# KiCad board jetson-agx-thor-baseboard.kicad_pcb (continued)
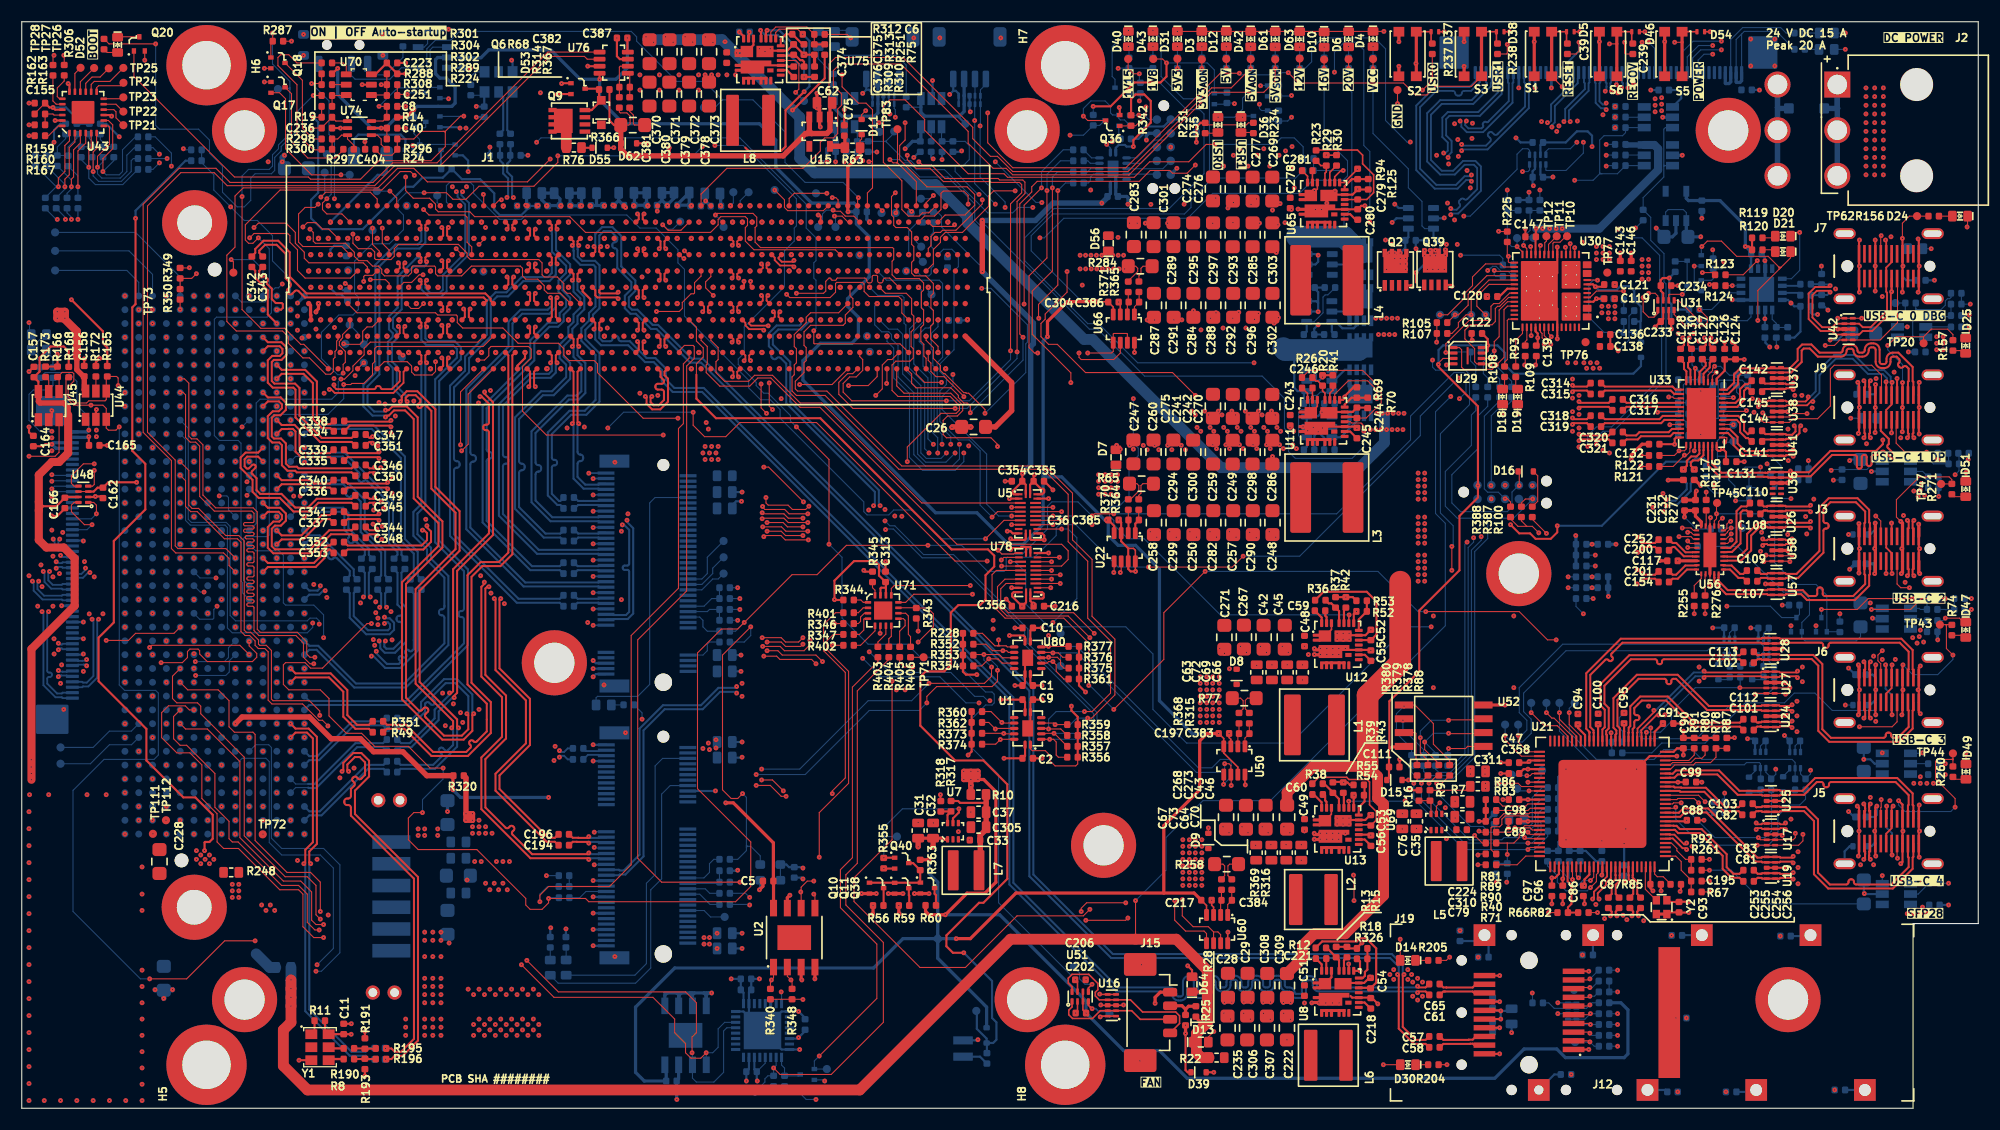
[diagram p0: board, top side]
## Routing (per net, layer and track width the routed paths; a pad name or vN(x,y) marks a point on that pad's centre or on a via; arc(x,y) is an arc through that point) (continued)
VCC: length 190.4
  Top w0.1: TP4.1 v1(124.32,95.71)
  Top w0.15: U11.22 119.19,64.61 U11.26 ; U12.26 120.49,44.06 U12.22 ; 120.48,27.65 120.48,27.06 119.88,26.46
  Top w0.2: v1(70.91,91.87) 70.95,91.87 73.87,94.79 R75.2 ; U8.22 120.49,12.06 U8.26 ; v1(128.27,76.91) 128.27,76.01 ; U75.26 67.31,97.86 U75.22
  Top w1: C309.2 117.85,13.85 117.85,15 118.91,16.06 121.76,16.06 125.29,19.59 125.29,27.99 124.74,28.54 124.74,30.54 123.82,31.46 118.82,31.46 116.41,29.06 C46.2
  Top w2: 126.82,48.46 126.82,40.99 123.82,37.99 123.82,31.46
  Bottom w0.1: v1(124.32,95.71) 124.32,89.71 127.57,86.46 127.57,84.71 128.82,83.46 128.82,81.21 129.07,80.96 U6.6
  Bottom w0.2: U6.6 129.88,80.15 C34.2 130.5,79.53 130.5,78.28 129.85,77.64 129,77.64 v1(128.27,76.91) ; C262.2 120.53,71.46 U62.6 120.9,72.38 121.5,71.78 122.54,71.78 122.82,72.06 Q23.3 ; 122.82,63.74 122.82,63.23 121.34,61.76 U61.6 120.78,61.51 C261.2
  Bottom w1: 125.37,63.71 125.37,61.26 123.07,58.96 110.32,58.96 98.52,70.76 97.74,70.76 87.02,81.48 87.02,82.06 84.07,85.01 82.32,85.01 81.24,86.09 72.94,86.09 71.57,87.46 71.57,91.21 v1(70.91,91.87) 64.43,98.35 57.58,98.35
  vias: v1(41.07,10.96) v1(41.57,10.46) v1(41.57,7.71) v1(41.57,6.71) v1(42.07,10.96) v1(42.07,8.21) v1(42.07,7.21) v1(42.57,10.46) v1(42.57,7.71) v1(42.57,6.71) v1(43.07,10.96) v1(43.07,8.21) v1(43.07,7.21) v1(43.57,10.46) v1(43.57,7.71) v1(43.57,6.71) v1(44.07,10.96) v1(44.07,8.21) v1(44.07,7.21) v1(44.57,10.46) v1(44.57,7.71) v1(44.57,6.71) v1(45.07,10.96) v1(45.07,8.21) v1(45.07,7.21) v1(45.57,10.46) v1(45.57,7.71) v1(45.57,6.71) v1(46.07,10.96) v1(46.07,8.21) v1(46.07,7.21) v1(46.57,10.46) v1(46.57,7.71) v1(46.57,6.71) v1(47.07,10.96) v1(47.07,8.21) v1(47.07,7.21) v1(47.57,10.46) v1(47.57,7.71) v1(47.57,6.71) v1(57.43,98.61) v1(58.13,98.11) v1(59.23,98.61) v1(59.93,98.11) v1(61.03,98.62) v1(61.73,98.12) v1(62.89,98.6) v1(63.59,98.1) v1(64.7,98.16) v1(65.77,97.13) v1(124.07,62.46) v1(124.57,72.71) v1(124.57,62.46) v1(124.67,63.96) v1(124.82,71.21) v1(125.07,72.71) v1(125.07,62.46) v1(125.17,63.96) v1(125.32,71.21) v1(125.57,72.71) v1(125.57,62.46) v1(125.67,63.96) v1(125.82,71.21) v1(126.07,72.71) v1(126.07,62.46) v1(126.17,63.96) v1(126.32,71.21) v1(126.57,72.71) v1(126.57,62.46) v1(126.67,63.96) v1(127.07,62.46) v1(127.17,63.96) v1(128.47,58.46) v1(128.47,57.86) v1(128.47,57.26) v1(128.47,56.66) v1(128.47,56.06) v1(128.47,54.41) v1(128.47,53.81) v1(128.47,53.21) v1(128.47,52.61) v1(128.47,52.01) v1(128.47,50.91) v1(128.47,50.31) v1(128.47,49.71) v1(128.47,49.11) v1(128.47,48.51) v1(129.07,58.46) v1(129.07,57.86) v1(129.07,57.26) v1(129.07,56.66) v1(129.07,56.06) v1(129.07,54.41) v1(129.07,53.81) v1(129.07,53.21) v1(129.07,52.61) v1(129.07,52.01) v1(129.07,50.91) v1(129.07,50.31) v1(129.07,49.71) v1(129.07,49.11) v1(129.07,48.51)
VCC_IN: length 15.8
  Top w0.15: U65.22 119.19,84.61 U65.26
  Bottom w0.2: U6.1 127.57,80.16 C30.2 127.29,79.18 v1(126.82,78.71)
  Bottom w0.5: D2.1 167.06,92.02 167.03,92.05 J2.1 J2.3
  vias: v1(110.57,86.71) v1(111.47,87.71) v1(112.07,88.31) v1(112.82,86.71) v1(113.67,87.71) v1(114.27,88.31) v1(114.82,86.71) v1(115.67,87.71) v1(116.27,88.11) v1(116.87,88.51) v1(116.82,86.46) v1(117.07,84.71) v1(118.92,84.46) v1(125.47,79.91) v1(125.57,77.21) v1(125.82,78.71) v1(126.07,79.51) v1(126.32,78.71) v1(126.32,78.21) v1(126.82,78.21) v1(126.82,77.71) v1(127.32,78.21) v1(127.32,77.71) v1(127.32,77.21) v1(129.07,78.96) v1(129.07,78.46) v1(129.32,77.21) v1(129.57,78.96) v1(129.57,78.46) v1(129.82,77.21) v1(130.07,78.96) v1(130.07,78.46) v1(130.32,77.21) v1(130.87,77.21) v1(130.97,79.01) v1(130.97,78.51) v1(131.07,79.51) v1(132.07,79.51) v1(169.67,93.91) v1(169.67,93.11) v1(169.67,92.31) v1(169.67,91.51) v1(169.67,90.71) v1(169.67,89.91) v1(169.67,89.11) v1(169.67,88.31) v1(169.67,87.51) v1(169.67,86.71) v1(169.67,85.91) v1(170.47,93.91) v1(170.47,93.11) v1(170.47,92.31) v1(170.47,91.51) v1(170.47,90.71) v1(170.47,89.91) v1(170.47,89.11) v1(170.47,88.31) v1(170.47,87.51) v1(170.47,86.71) v1(170.47,85.91) v1(171.27,93.91) v1(171.27,93.11) v1(171.27,92.31) v1(171.27,91.51) v1(171.27,90.71) v1(171.27,89.91) v1(171.27,89.11) v1(171.27,88.31) v1(171.27,87.51) v1(171.27,86.71) v1(171.27,85.91)
/CSI/CAM0.CSI2_CLK+: length 109
  Top w0.17: v1(67.05,68.81) 66.92,68.94 66.92,69.29 J1.B43
  In2.Cu w0.125: v1(3.37,42.8) 3.18,42.61 2.71,42.61 2.36,42.26 2.36,41.56 2.72,41.2 4.12,41.2 5.22,42.3 10.92,42.3 11.58,42.96 11.58,64.86 11.92,65.2 29.32,65.2 32.82,68.7 34.72,68.7 36.12,67.3 45.46,67.3 arc(45.72,67.4) 45.82,67.65 45.82,68.13 arc(45.86,68.22) 45.95,68.26 46.07,68.26 arc(46.17,68.22) 46.21,68.13 46.21,67.21 arc(46.3,66.99) 46.52,66.89 46.73,66.89 arc(46.95,66.99) 47.04,67.21 47.04,68.13 arc(47.08,68.22) 47.17,68.26 47.29,68.26 arc(47.39,68.22) 47.43,68.13 47.43,66.99 arc(47.53,66.74) 47.78,66.63 47.9,66.63 arc(48.16,66.74) 48.26,66.99 48.26,67.17 arc(48.3,67.26) 48.39,67.3 48.51,67.3 arc(48.56,67.28) 48.58,67.24 arc(48.66,67.03) 48.86,66.95 49.12,66.95 arc(49.33,67.03) 49.41,67.24 arc(49.43,67.28) 49.47,67.3 49.73,67.3 arc(49.78,67.28) 49.8,67.24 arc(49.88,67.03) 50.08,66.95 50.38,66.95 arc(50.58,67.03) 50.66,67.24 50.66,68.13 arc(50.7,68.22) 50.79,68.26 50.92,68.26 arc(51.01,68.22) 51.05,68.13 51.05,67.24 arc(51.13,67.03) 51.34,66.95 51.6,66.95 arc(51.8,67.03) 51.88,67.24 arc(51.9,67.28) 51.95,67.3 52.17,67.3 arc(52.22,67.28) 52.24,67.24 arc(52.32,67.03) 52.52,66.95 52.78,66.95 arc(52.99,67.03) 53.07,67.24 arc(53.09,67.28) 53.13,67.3 53.39,67.3 arc(53.44,67.28) 53.46,67.24 arc(53.54,67.03) 53.74,66.95 54.04,66.95 arc(54.24,67.03) 54.32,67.24 54.32,68.13 arc(54.36,68.22) 54.45,68.26 54.58,68.26 arc(54.67,68.22) 54.71,68.13 54.71,67.24 arc(54.79,67.03) 55,66.95 55.26,66.95 arc(55.46,67.03) 55.54,67.24 arc(55.56,67.28) 55.61,67.3 55.83,67.3 arc(55.88,67.28) 55.9,67.24 arc(55.98,67.03) 56.18,66.95 56.48,66.95 arc(56.68,67.03) 56.76,67.24 56.76,67.59 arc(56.78,67.63) 56.83,67.65 57.09,67.65 arc(57.13,67.63) 57.15,67.59 57.15,67.24 arc(57.23,67.03) 57.44,66.95 57.7,66.95 arc(57.9,67.03) 57.98,67.24 arc(58,67.28) 58.05,67.3 58.27,67.3 arc(58.32,67.28) 58.34,67.24 arc(58.42,67.03) 58.62,66.95 58.92,66.95 arc(59.12,67.03) 59.2,67.24 59.2,68.05 arc(59.24,68.14) 59.33,68.18 59.46,68.18 arc(59.55,68.14) 59.59,68.05 59.59,67.65 arc(59.69,67.4) 59.94,67.3 64.72,67.3 65.52,68.1 66.34,68.1 v1(67.05,68.81)
  Bottom w0.17: J11.11 3.76,42.75 3.68,42.68 3.49,42.68 v1(3.37,42.8)
/CSI/CAM0.CSI2_CLK-: length 109
  Top w0.17: J1.B42 66.58,69.29 66.58,68.94 66.46,68.82 v1(66.46,68.8)
  In2.Cu w0.125: v1(66.46,68.8) 66.45,68.79 66.45,68.53 66.24,68.32 65.42,68.32 64.62,67.52 59.94,67.52 arc(59.85,67.56) 59.81,67.65 59.81,68.05 arc(59.71,68.3) 59.46,68.41 59.33,68.41 arc(59.08,68.3) 58.98,68.05 58.98,67.24 arc(58.96,67.19) 58.92,67.17 58.62,67.17 arc(58.58,67.19) 58.56,67.24 arc(58.48,67.44) 58.27,67.52 58.05,67.52 arc(57.84,67.44) 57.76,67.24 arc(57.74,67.19) 57.7,67.17 57.44,67.17 arc(57.39,67.19) 57.37,67.24 57.37,67.59 arc(57.29,67.79) 57.09,67.87 56.83,67.87 arc(56.62,67.79) 56.54,67.59 56.54,67.24 arc(56.52,67.19) 56.48,67.17 56.18,67.17 arc(56.14,67.19) 56.12,67.24 arc(56.04,67.44) 55.83,67.52 55.61,67.52 arc(55.4,67.44) 55.32,67.24 arc(55.3,67.19) 55.26,67.17 55,67.17 arc(54.95,67.19) 54.93,67.24 54.93,68.13 arc(54.83,68.38) 54.58,68.48 54.45,68.48 arc(54.2,68.38) 54.1,68.13 54.1,67.24 arc(54.08,67.19) 54.04,67.17 53.74,67.17 arc(53.7,67.19) 53.68,67.24 arc(53.6,67.44) 53.39,67.52 53.13,67.52 arc(52.93,67.44) 52.85,67.24 arc(52.83,67.19) 52.78,67.17 52.52,67.17 arc(52.48,67.19) 52.46,67.24 arc(52.38,67.44) 52.17,67.52 51.95,67.52 arc(51.74,67.44) 51.66,67.24 arc(51.64,67.19) 51.6,67.17 51.34,67.17 arc(51.29,67.19) 51.27,67.24 51.27,68.13 arc(51.17,68.38) 50.92,68.49 50.79,68.49 arc(50.54,68.38) 50.44,68.13 50.44,67.24 arc(50.42,67.19) 50.38,67.17 50.08,67.17 arc(50.04,67.19) 50.02,67.24 arc(49.94,67.44) 49.73,67.52 49.47,67.52 arc(49.27,67.44) 49.19,67.24 arc(49.17,67.19) 49.12,67.17 48.86,67.17 arc(48.82,67.19) 48.8,67.24 arc(48.72,67.44) 48.51,67.52 48.39,67.52 arc(48.14,67.42) 48.04,67.17 48.04,66.99 arc(48,66.9) 47.9,66.86 47.78,66.86 arc(47.69,66.9) 47.65,66.99 47.65,68.13 arc(47.55,68.38) 47.29,68.49 47.17,68.49 arc(46.92,68.38) 46.82,68.13 46.82,67.21 arc(46.79,67.15) 46.73,67.12 46.52,67.12 arc(46.46,67.15) 46.43,67.21 46.43,68.13 arc(46.33,68.38) 46.07,68.49 45.95,68.49 arc(45.7,68.38) 45.6,68.13 45.6,67.65 arc(45.56,67.56) 45.46,67.52 36.22,67.52 34.82,68.92 32.72,68.92 29.22,65.42 11.82,65.42 11.36,64.96 11.36,43.06 10.82,42.52 5.75,42.52 arc(5.65,42.56) 5.61,42.66 5.61,42.7 arc(5.57,42.8) 5.47,42.84 5.4,42.84 arc(5.3,42.8) 5.26,42.7 5.26,42.66 arc(5.22,42.56) 5.12,42.52 4.74,42.14 arc(4.64,42.1) 4.54,42.14 4.34,42.34 arc(4.24,42.38) 4.14,42.34 4.09,42.29 arc(4.05,42.19) 4.09,42.09 4.29,41.89 arc(4.33,41.79) 4.29,41.69 4.02,41.42 2.82,41.42 2.58,41.66 2.58,42.16 2.81,42.39 3.18,42.39 v1(3.37,42.2)
  Bottom w0.17: v1(3.37,42.2) 3.49,42.33 3.68,42.33 3.76,42.25 J11.10
/CSI/CAM0.CSI2_D0+: length 107.7
  Top w0.17: J1.A41 65.47,67.79 65.47,67.44 65.39,67.35 v1(65.39,67.32)
  In2.Cu w0.125: v1(65.39,67.32) 65.39,67.27 65.54,67.12 65.54,66.84 65.32,66.62 48.62,66.62 47.82,65.82 45.62,65.82 44.72,66.72 39.55,66.72 arc(39.28,66.61) 39.17,66.34 39.17,65.83 arc(39.13,65.72) 39.02,65.67 38.88,65.67 arc(38.77,65.72) 38.73,65.83 38.73,66.34 arc(38.62,66.61) 38.35,66.72 38.21,66.72 arc(37.94,66.61) 37.83,66.34 37.83,65.83 arc(37.79,65.72) 37.68,65.67 37.54,65.67 arc(37.43,65.72) 37.39,65.83 37.39,66.34 arc(37.28,66.61) 37.01,66.72 36.87,66.72 arc(36.6,66.61) 36.49,66.34 36.49,65.93 arc(36.45,65.82) 36.34,65.77 36.2,65.77 arc(36.09,65.82) 36.05,65.93 36.05,66.83 arc(35.95,67.06) 35.72,67.15 35.48,67.15 arc(35.25,67.06) 35.15,66.83 35.15,65.88 arc(35.11,65.77) 35,65.72 34.86,65.72 arc(34.75,65.77) 34.71,65.88 34.71,67.39 arc(34.6,67.66) 34.33,67.77 34.19,67.77 arc(33.92,67.66) 33.81,67.39 33.81,65.83 arc(33.77,65.72) 33.66,65.67 33.52,65.67 arc(33.41,65.72) 33.37,65.83 33.37,67.39 arc(33.26,67.66) 32.99,67.77 32.85,67.77 arc(32.58,67.66) 32.47,67.39 32.47,66.88 arc(32.43,66.77) 32.32,66.72 32.22,66.72 31.42,65.92 arc(31.31,65.88) 31.2,65.92 31.12,66 arc(30.85,66.11) 30.58,66 30.49,65.91 arc(30.38,65.64) 30.49,65.37 31.31,64.55 arc(31.36,64.44) 31.31,64.33 31.22,64.23 arc(31.11,64.19) 31,64.23 30.18,65.06 arc(29.91,65.17) 29.64,65.06 29.54,64.96 arc(29.43,64.69) 29.54,64.42 29.62,64.34 arc(29.67,64.23) 29.62,64.12 21.06,64.12 arc(20.79,64.01) 20.68,63.74 20.68,63.63 arc(20.64,63.52) 20.53,63.47 20.39,63.47 arc(20.28,63.52) 20.24,63.63 20.24,63.74 arc(20.13,64.01) 19.86,64.12 19.54,64.12 arc(19.34,64.04) 19.25,63.84 arc(19.24,63.79) 19.19,63.77 18.87,63.77 arc(18.83,63.79) 18.81,63.84 18.81,64.5 arc(18.7,64.76) 18.43,64.88 18.3,64.88 arc(18.03,64.76) 17.91,64.5 17.91,64.28 arc(17.87,64.17) 17.76,64.12 17.63,64.12 arc(17.36,64.01) 17.24,63.74 17.24,63.22 arc(17.2,63.11) 17.09,63.07 16.96,63.07 arc(16.85,63.11) 16.8,63.22 16.8,63.74 arc(16.69,64.01) 16.42,64.12 13.12,64.12 12.56,63.56 12.56,41.66 12.02,41.12 7.35,41.12 arc(7.25,41.16) 7.21,41.26 7.21,41.29 arc(7.17,41.39) 7.07,41.43 7,41.43 arc(6.9,41.39) 6.86,41.29 6.86,41.26 arc(6.82,41.16) 6.72,41.12 6.14,41.12 v1(5.97,41.3)
  Bottom w0.17: v1(5.97,41.3) 5.86,41.19 5.58,41.19 5.57,41.18 5.18,41.18 5.11,41.25 J11.8
/CSI/CAM0.CSI2_D0-: length 107.8
  Top w0.17: J1.A42 65.83,67.79 65.83,67.44 v1(65.95,67.31)
  In2.Cu w0.125: v1(5.97,40.72) 6.14,40.9 12.12,40.9 12.78,41.56 12.78,63.46 13.22,63.9 16.42,63.9 arc(16.53,63.85) 16.57,63.74 16.57,63.22 arc(16.69,62.96) 16.96,62.84 17.09,62.84 arc(17.36,62.96) 17.47,63.22 17.47,63.74 arc(17.52,63.85) 17.63,63.9 17.76,63.9 arc(18.03,64.01) 18.14,64.28 18.14,64.5 arc(18.19,64.61) 18.3,64.65 18.43,64.65 arc(18.54,64.61) 18.58,64.5 18.58,63.84 arc(18.67,63.63) 18.87,63.55 19.19,63.55 arc(19.4,63.63) 19.48,63.84 arc(19.5,63.88) 19.54,63.9 19.86,63.9 arc(19.97,63.85) 20.01,63.74 20.01,63.63 arc(20.12,63.36) 20.39,63.25 20.53,63.25 arc(20.8,63.36) 20.91,63.63 20.91,63.74 arc(20.95,63.85) 21.06,63.9 29.72,63.9 29.78,63.96 arc(29.89,64.23) 29.78,64.5 29.7,64.58 arc(29.66,64.69) 29.7,64.8 29.8,64.9 arc(29.91,64.94) 30.02,64.9 30.84,64.07 arc(31.11,63.96) 31.38,64.07 31.47,64.17 arc(31.58,64.44) 31.47,64.71 30.65,65.53 arc(30.6,65.64) 30.65,65.75 30.74,65.84 arc(30.85,65.89) 30.96,65.84 31.04,65.76 arc(31.31,65.65) 31.58,65.76 32.32,66.5 arc(32.59,66.61) 32.7,66.88 32.7,67.39 arc(32.74,67.5) 32.85,67.55 32.99,67.55 arc(33.1,67.5) 33.14,67.39 33.14,65.83 arc(33.25,65.56) 33.52,65.45 33.66,65.45 arc(33.93,65.56) 34.04,65.83 34.04,67.39 arc(34.08,67.5) 34.19,67.55 34.33,67.55 arc(34.44,67.5) 34.48,67.39 34.48,65.88 arc(34.59,65.61) 34.86,65.5 35,65.5 arc(35.27,65.61) 35.38,65.88 35.38,66.83 arc(35.41,66.9) 35.48,66.93 35.72,66.93 arc(35.79,66.9) 35.82,66.83 35.82,65.93 arc(35.93,65.66) 36.2,65.55 36.34,65.55 arc(36.61,65.66) 36.72,65.93 36.72,66.34 arc(36.76,66.45) 36.87,66.5 37.01,66.5 arc(37.12,66.45) 37.16,66.34 37.16,65.83 arc(37.27,65.56) 37.54,65.45 37.68,65.45 arc(37.95,65.56) 38.06,65.83 38.06,66.34 arc(38.1,66.45) 38.21,66.5 38.35,66.5 arc(38.46,66.45) 38.5,66.34 38.5,65.83 arc(38.61,65.56) 38.88,65.45 39.02,65.45 arc(39.29,65.56) 39.4,65.83 39.4,66.34 arc(39.44,66.45) 39.55,66.5 44.62,66.5 45.52,65.6 47.92,65.6 48.72,66.4 65.42,66.4 65.76,66.74 65.76,67.12 v1(65.95,67.31)
  Bottom w0.17: J11.7 5.11,40.75 5.18,40.83 5.7,40.83 5.71,40.84 5.86,40.84 v1(5.97,40.72)
/CSI/CAM0.CSI2_D1+: length 109
  Top w0.17: J1.C42 65.83,70.79 65.83,70.64 v1(65.95,70.51)
  In2.Cu w0.125: v1(65.95,70.51) 65.76,70.32 65.76,70.28 66.08,69.96 66.08,69.26 65.62,68.8 50.02,68.8 49.72,69.1 48.22,69.1 47.92,68.8 45.6,68.8 arc(45.54,68.77) 45.51,68.71 arc(45.42,68.48) 45.19,68.39 45,68.39 arc(44.78,68.48) 44.68,68.71 44.68,69.55 arc(44.65,69.64) 44.56,69.67 44.44,69.67 arc(44.35,69.64) 44.31,69.55 44.31,68.74 arc(44.23,68.53) 44.02,68.45 43.77,68.45 arc(43.56,68.53) 43.48,68.74 arc(43.46,68.78) 43.42,68.8 43.32,68.8 42.76,69.36 42.76,69.96 42.52,70.2 42.18,70.2 arc(42.13,70.18) 42.11,70.13 arc(42.03,69.92) 41.82,69.83 41.58,69.83 arc(41.37,69.92) 41.29,70.13 arc(41.27,70.18) 41.22,70.2 41.1,70.2 arc(41.01,70.16) 40.97,70.07 40.97,69.47 arc(40.87,69.22) 40.62,69.11 40.5,69.11 arc(40.25,69.22) 40.15,69.47 40.15,70.07 arc(40.11,70.16) 40.02,70.2 39.9,70.2 arc(39.65,70.3) 39.55,70.55 39.55,70.75 arc(39.51,70.85) 39.42,70.88 39.3,70.88 arc(39.21,70.85) 39.17,70.75 39.17,70.55 arc(39.07,70.3) 38.82,70.2 38.57,70.2 arc(38.37,70.28) 38.29,70.49 arc(38.27,70.53) 38.22,70.55 37.97,70.55 arc(37.93,70.53) 37.91,70.49 37.91,69.46 arc(37.81,69.21) 37.56,69.11 37.44,69.11 arc(37.19,69.21) 37.09,69.46 37.09,70.53 arc(37.06,70.6) 36.98,70.63 36.81,70.63 arc(36.74,70.6) 36.71,70.53 36.71,69.96 arc(36.61,69.71) 36.36,69.61 36.24,69.61 arc(35.99,69.71) 35.89,69.96 35.89,70.07 arc(35.85,70.16) 35.76,70.2 35.51,70.2 arc(35.47,70.18) 35.45,70.14 arc(35.36,69.93) 35.16,69.85 34.91,69.85 arc(34.71,69.93) 34.62,70.14 arc(34.6,70.18) 34.56,70.2 34.44,70.2 arc(34.35,70.16) 34.31,70.07 34.31,69.56 arc(34.21,69.31) 33.96,69.21 33.84,69.21 arc(33.59,69.31) 33.49,69.56 33.49,70.07 arc(33.45,70.16) 33.36,70.2 31.22,70.2 27.42,66.4 10.72,66.4 10.18,65.86 10.18,43.96 9.82,43.6 2.52,43.6 1.88,42.96 1.88,41.26 2.1,41.04 arc(2.2,41) 2.29,41.04 2.31,41.06 arc(2.41,41.1) 2.51,41.06 2.56,41.01 arc(2.6,40.91) 2.56,40.81 2.54,40.79 arc(2.5,40.7) 2.54,40.6 3.02,40.12 3.19,40.12 v1(3.37,40.3)
  Bottom w0.17: v1(3.37,40.3) 3.48,40.19 3.76,40.19 3.77,40.18 4.13,40.18 4.21,40.25 J11.6
/CSI/CAM0.CSI2_D1-: length 109
  Top w0.17: v1(65.35,70.51) 65.47,70.64 65.47,70.79 J1.C41
  In2.Cu w0.125: v1(3.37,39.72) 3.19,39.9 2.92,39.9 1.66,41.16 1.66,43.06 2.42,43.82 9.72,43.82 9.96,44.06 9.96,65.96 10.62,66.62 27.32,66.62 31.12,70.42 33.36,70.42 arc(33.61,70.32) 33.71,70.07 33.71,69.56 arc(33.75,69.47) 33.84,69.43 33.96,69.43 arc(34.05,69.47) 34.09,69.56 34.09,70.07 arc(34.19,70.32) 34.44,70.42 34.56,70.42 arc(34.76,70.34) 34.85,70.14 arc(34.87,70.09) 34.91,70.07 35.16,70.07 arc(35.2,70.09) 35.22,70.14 arc(35.31,70.34) 35.51,70.42 35.76,70.42 arc(36.01,70.32) 36.11,70.07 36.11,69.96 arc(36.15,69.87) 36.24,69.83 36.36,69.83 arc(36.45,69.87) 36.49,69.96 36.49,70.53 arc(36.58,70.76) 36.81,70.85 36.98,70.85 arc(37.22,70.76) 37.31,70.53 37.31,69.46 arc(37.35,69.37) 37.44,69.33 37.56,69.33 arc(37.65,69.37) 37.69,69.46 37.69,70.49 arc(37.77,70.69) 37.97,70.77 38.22,70.77 arc(38.43,70.69) 38.51,70.49 arc(38.53,70.44) 38.57,70.42 38.82,70.42 arc(38.91,70.46) 38.95,70.55 38.95,70.75 arc(39.05,71) 39.3,71.11 39.42,71.11 arc(39.67,71) 39.77,70.75 39.77,70.55 arc(39.81,70.46) 39.9,70.42 40.02,70.42 arc(40.27,70.32) 40.37,70.07 40.37,69.47 arc(40.41,69.37) 40.5,69.34 40.62,69.34 arc(40.71,69.37) 40.75,69.47 40.75,70.07 arc(40.85,70.32) 41.1,70.42 41.22,70.42 arc(41.43,70.34) 41.51,70.13 arc(41.53,70.08) 41.58,70.06 41.82,70.06 arc(41.87,70.08) 41.89,70.13 arc(41.97,70.34) 42.18,70.42 42.62,70.42 42.98,70.06 42.98,69.46 43.42,69.02 arc(43.62,68.94) 43.7,68.74 arc(43.72,68.69) 43.77,68.67 44.02,68.67 arc(44.07,68.69) 44.08,68.74 44.08,69.55 arc(44.19,69.79) 44.44,69.9 44.56,69.9 arc(44.81,69.79) 44.91,69.55 44.91,68.71 arc(44.94,68.64) 45,68.61 45.19,68.61 arc(45.26,68.64) 45.28,68.71 arc(45.38,68.93) 45.6,69.02 47.82,69.02 48.12,69.32 49.82,69.32 50.12,69.02 65.52,69.02 65.86,69.36 65.86,69.86 65.54,70.18 65.54,70.32 v1(65.35,70.51)
  Bottom w0.17: J11.5 4.21,39.75 4.13,39.83 3.64,39.83 3.63,39.84 3.48,39.84 v1(3.37,39.72)
/CSI/CAM0.CSI3_D0+: length 110.3
  Top w0.17: v1(68.65,74.81) 68.53,74.69 68.53,74.34 J1.E45
  In2.Cu w0.125: v1(6.47,45.01) 6.66,44.82 6.66,44.56 7.02,44.2 7.82,44.2 8.48,44.86 8.48,66.76 9.42,67.7 25.01,67.7 arc(25.09,67.67) 25.12,67.59 25.12,67.22 arc(25.22,66.98) 25.45,66.89 25.56,66.89 arc(25.8,66.98) 25.9,67.22 25.9,68.4 arc(25.93,68.48) 26,68.51 26.11,68.51 arc(26.19,68.48) 26.22,68.4 26.22,67.22 arc(26.32,66.98) 26.55,66.89 26.66,66.89 arc(26.9,66.98) 27,67.22 27,67.59 arc(27.03,67.67) 27.1,67.7 27.2,67.7 27.73,68.23 arc(27.82,68.46) 27.73,68.7 27.57,68.86 arc(27.54,68.93) 27.57,69.01 27.65,69.09 arc(27.72,69.12) 27.8,69.09 28.39,68.49 arc(28.63,68.4) 28.86,68.49 28.94,68.57 arc(29.04,68.81) 28.94,69.04 28.82,69.16 arc(28.78,69.24) 28.82,69.32 28.88,69.38 28.88,70.15 arc(28.9,70.2) 28.95,70.22 arc(29.16,70.31) 29.24,70.51 29.24,70.7 arc(29.16,70.91) 28.95,70.99 arc(28.9,71.01) 28.88,71.06 29.52,71.7 32.11,71.7 arc(32.19,71.67) 32.22,71.59 32.22,71.02 arc(32.32,70.78) 32.55,70.69 32.66,70.69 arc(32.9,70.78) 33,71.02 33,71.59 arc(33.03,71.67) 33.1,71.7 33.62,71.7 34.32,71 35.52,71 35.98,71.46 35.98,71.96 36.42,72.4 37.32,72.4 38.32,71.4 39.87,71.4 40.17,71.7 42.52,71.7 44.02,70.2 49.72,70.2 50.22,70.7 51.42,70.7 51.92,70.2 55.72,70.2 56.12,69.8 57.52,69.8 58.52,70.8 59.32,70.8 59.72,70.4 64.62,70.4 65.42,71.2 66.02,71.2 68.46,73.64 68.46,74.62 v1(68.65,74.81)
  Bottom w0.17: v1(6.47,45.01) 6.59,44.89 6.59,39.78 5.99,39.18 5.63,39.18 5.56,39.25 J11.4
/CSI/CAM0.CSI3_D0-: length 110.3
  Top w0.17: v1(68.05,74.81) 68.18,74.69 68.18,74.34 J1.E44
  In2.Cu w0.125: v1(7.07,45.01) 6.88,44.82 6.88,44.66 7.12,44.42 7.72,44.42 8.26,44.96 8.26,45.62 8.12,45.76 8.12,45.97 8.26,46.11 8.26,66.86 9.32,67.92 25.01,67.92 arc(25.25,67.83) 25.35,67.59 25.35,67.22 arc(25.38,67.14) 25.45,67.11 25.56,67.11 arc(25.64,67.14) 25.67,67.22 25.67,68.4 arc(25.77,68.64) 26,68.74 26.11,68.74 arc(26.35,68.64) 26.45,68.4 26.45,67.22 arc(26.48,67.14) 26.55,67.11 26.66,67.11 arc(26.74,67.14) 26.77,67.22 26.77,67.59 arc(26.87,67.83) 27.1,67.92 27.57,68.39 arc(27.6,68.46) 27.57,68.54 27.41,68.7 arc(27.31,68.93) 27.41,69.17 27.49,69.24 arc(27.72,69.34) 27.96,69.24 28.55,68.65 arc(28.63,68.62) 28.7,68.65 28.78,68.73 arc(28.81,68.81) 28.78,68.88 28.66,69.01 arc(28.56,69.24) 28.66,69.48 28.66,70.15 arc(28.74,70.36) 28.95,70.44 arc(29,70.46) 29.02,70.51 29.02,70.7 arc(29,70.75) 28.95,70.77 arc(28.74,70.86) 28.66,71.06 28.66,71.16 29.42,71.92 32.11,71.92 arc(32.35,71.83) 32.45,71.59 32.45,71.02 arc(32.48,70.94) 32.55,70.91 32.66,70.91 arc(32.74,70.94) 32.77,71.02 32.77,71.59 arc(32.87,71.83) 33.1,71.92 33.72,71.92 34.42,71.22 35.42,71.22 35.76,71.56 35.76,72.06 36.32,72.62 37.42,72.62 38.42,71.62 39.77,71.62 40.07,71.92 42.62,71.92 44.12,70.42 49.62,70.42 50.12,70.92 51.52,70.92 52.02,70.42 55.82,70.42 56.22,70.02 57.42,70.02 58.42,71.02 59.42,71.02 59.82,70.62 64.52,70.62 65.32,71.42 65.92,71.42 68.24,73.74 68.24,74.62 v1(68.05,74.81)
  Bottom w0.17: v1(7.07,45.01) 6.94,44.89 6.94,39.64 6.13,38.83 5.63,38.83 5.56,38.75 J11.3
/CSI/CAM0.CSI3_D1+: length 110.6
  Top w0.17: J1.G44 68.18,77.34 68.18,77.59 v1(68.05,77.71)
  In2.Cu w0.125: v1(68.05,77.71) 68.24,77.52 68.24,76.64 67.26,75.66 67.26,75.46 66.26,74.46 66.26,73.76 66.56,73.46 66.56,73.06 65.42,71.92 60.47,71.92 arc(60.37,71.96) 60.33,72.06 60.33,72.28 arc(60.29,72.37) 60.19,72.42 60.12,72.42 arc(60.02,72.37) 59.98,72.28 59.98,72.06 arc(59.94,71.96) 59.84,71.92 58.12,71.92 57.62,72.42 56.32,72.42 55.82,71.92 55.42,71.92 55.08,72.26 55.08,72.76 54.52,73.32 53.02,73.32 51.72,72.02 48.22,72.02 47.62,71.42 46.42,71.42 44.67,73.17 40.47,73.17 39.52,74.12 38.32,74.12 37.72,73.52 29.07,73.52 27.46,71.91 27.46,69.86 26.82,69.22 9.32,69.22 7.26,67.16 7.26,47.46 4.82,45.02 2.47,45.02 2.28,45.21 2.28,45.52 v1(2.47,45.71)
  Bottom w0.17: J11.2 3.76,38.25 3.68,38.18 3.25,38.18 2.34,39.08 2.34,39.54 arc(2.39,39.65) 2.5,39.7 2.61,39.7 arc(2.72,39.75) 2.77,39.86 2.77,39.94 arc(2.72,40.05) 2.61,40.1 2.5,40.1 arc(2.39,40.15) 2.34,40.26 2.34,45.59 v1(2.47,45.71)
/CSI/CAM0.CSI3_D1-: length 110.6
  Top w0.17: J1.G45 68.53,77.34 68.53,77.59 v1(68.65,77.71)
  In2.Cu w0.125: v1(1.87,45.71) 2.06,45.52 2.06,45.11 2.37,44.8 4.92,44.8 7.48,47.36 7.48,67.06 9.42,69 26.92,69 27.68,69.76 27.68,71.81 29.17,73.3 37.82,73.3 38.42,73.9 39.42,73.9 40.37,72.95 44.57,72.95 46.32,71.2 47.72,71.2 48.32,71.8 51.82,71.8 53.12,73.1 54.42,73.1 54.86,72.66 54.86,72.16 55.32,71.7 55.92,71.7 56.42,72.2 57.52,72.2 58.02,71.7 65.52,71.7 66.78,72.96 66.78,73.56 66.48,73.86 66.48,74.36 67.48,75.36 67.48,75.56 68.46,76.54 68.46,77.52 v1(68.65,77.71)
  Bottom w0.17: v1(1.87,45.71) 1.99,45.59 1.99,38.94 3.11,37.83 3.68,37.83 3.76,37.75 J11.1
/CSI/CAM1.CSI0_CLK+: length 110.4
  Top w0.17: v1(67.05,76.11) 67.05,75.71 J1.F43
  In2.Cu w0.125: v1(3.49,52.39) 3.49,52.64 3.38,52.75 3.38,53.52 arc(3.42,53.62) 3.52,53.66 3.69,53.66 arc(3.79,53.7) 3.83,53.8 3.83,53.87 arc(3.79,53.97) 3.69,54.01 3.52,54.01 arc(3.42,54.05) 3.38,54.15 3.38,67.16 9.02,72.8 22.52,72.8 22.98,73.26 22.98,75.46 23.38,75.86 arc(23.48,76.1) 23.38,76.33 23.14,76.57 arc(23.11,76.65) 23.14,76.72 23.22,76.8 arc(23.29,76.83) 23.37,76.8 23.61,76.56 arc(23.84,76.46) 24.08,76.56 24.16,76.64 arc(24.25,76.87) 24.16,77.11 23.92,77.35 arc(23.89,77.42) 23.92,77.5 24,77.58 arc(24.07,77.61) 24.15,77.58 24.39,77.34 arc(24.62,77.24) 24.86,77.34 25.22,77.7 33.72,77.7 34.42,77 35.42,77 35.98,77.56 35.98,77.86 36.52,78.4 37.42,78.4 37.86,77.96 37.86,77.51 38.12,77.25 39.67,77.25 40.02,77.6 arc(40.25,77.69) 40.35,77.93 40.35,78.52 arc(40.38,78.59) 40.46,78.63 40.57,78.63 arc(40.64,78.59) 40.67,78.52 40.67,77.93 arc(40.77,77.69) 41.01,77.6 41.12,77.6 arc(41.35,77.69) 41.45,77.93 41.45,78.17 arc(41.48,78.24) 41.56,78.28 41.67,78.28 arc(41.74,78.24) 41.77,78.17 41.77,77.93 arc(41.87,77.69) 42.11,77.6 42.22,77.6 arc(42.42,77.68) 42.51,77.89 arc(42.52,77.93) 42.57,77.95 42.77,77.95 arc(42.81,77.93) 42.83,77.89 arc(42.91,77.68) 43.12,77.6 45.72,77.6 46.42,76.9 47.42,76.9 48.08,77.56 48.08,77.96 48.52,78.4 49.32,78.4 50.12,77.6 50.22,77.6 arc(50.42,77.68) 50.51,77.89 arc(50.53,77.94) 50.58,77.96 50.79,77.96 arc(50.84,77.94) 50.86,77.89 50.86,77 arc(50.96,76.77) 51.19,76.67 51.3,76.67 arc(51.54,76.77) 51.63,77 51.63,77.49 arc(51.67,77.57) 51.74,77.6 51.85,77.6 arc(52.09,77.69) 52.18,77.93 52.18,78.32 arc(52.22,78.39) 52.29,78.43 52.4,78.43 arc(52.48,78.39) 52.51,78.32 52.51,77.54 arc(52.59,77.33) 52.8,77.25 53,77.25 arc(53.2,77.33) 53.28,77.54 53.28,78.52 arc(53.32,78.59) 53.39,78.62 53.5,78.62 arc(53.58,78.59) 53.61,78.52 53.61,77.93 arc(53.71,77.69) 53.94,77.6 54.05,77.6 arc(54.13,77.57) 54.16,77.49 54.16,76.95 arc(54.26,76.72) 54.49,76.62 54.6,76.62 arc(54.84,76.72) 54.93,76.95 54.93,77.92 arc(54.96,77.99) 55.03,78.02 55.16,78.02 arc(55.23,77.99) 55.26,77.92 55.26,77.5 arc(55.35,77.27) 55.58,77.18 55.71,77.18 arc(55.94,77.27) 56.03,77.5 56.03,78.02 arc(56.07,78.09) 56.14,78.12 56.25,78.12 arc(56.33,78.09) 56.36,78.02 56.36,77.93 arc(56.46,77.69) 56.69,77.6 56.8,77.6 arc(57.04,77.69) 57.13,77.93 57.13,78.32 arc(57.17,78.39) 57.24,78.42 57.35,78.42 arc(57.43,78.39) 57.46,78.32 57.46,77.93 arc(57.56,77.69) 57.79,77.6 57.9,77.6 arc(57.98,77.57) 58.01,77.49 58.01,76.95 arc(58.11,76.72) 58.34,76.62 58.45,76.62 arc(58.69,76.72) 58.78,76.95 58.78,77.49 arc(58.82,77.57) 58.89,77.6 62.32,77.6 65.02,74.9 66.12,74.9 66.86,75.64 66.86,75.92 v1(67.05,76.11)
  Bottom w0.17: v1(3.49,52.39) 3.37,52.26 3.37,51.84 3.53,51.67 4.13,51.67 4.21,51.75 J11.29
/CSI/CAM1.CSI0_CLK-: length 110.4
  Top w0.17: J1.F42 66.45,75.71 v1(66.45,76.11)
  In2.Cu w0.125: v1(2.89,52.39) 2.89,52.52 3.16,52.78 3.16,67.26 8.92,73.02 22.42,73.02 22.76,73.36 22.76,75.56 23.22,76.02 arc(23.25,76.1) 23.22,76.17 22.98,76.41 arc(22.88,76.65) 22.98,76.88 23.06,76.96 arc(23.29,77.06) 23.53,76.96 23.77,76.72 arc(23.84,76.69) 23.92,76.72 24,76.8 arc(24.03,76.87) 24,76.95 23.76,77.19 arc(23.66,77.42) 23.76,77.66 23.84,77.74 arc(24.07,77.83) 24.31,77.74 24.55,77.5 arc(24.62,77.47) 24.7,77.5 25.12,77.92 33.82,77.92 34.52,77.22 35.32,77.22 35.76,77.66 35.76,77.96 36.42,78.62 37.52,78.62 38.08,78.06 38.08,77.61 38.22,77.47 39.57,77.47 39.92,77.82 40.02,77.82 arc(40.09,77.85) 40.12,77.93 40.12,78.52 arc(40.22,78.75) 40.46,78.85 40.57,78.85 arc(40.8,78.75) 40.9,78.52 40.9,77.93 arc(40.93,77.85) 41.01,77.82 41.12,77.82 arc(41.19,77.85) 41.22,77.93 41.22,78.17 arc(41.32,78.4) 41.56,78.5 41.67,78.5 arc(41.9,78.4) 42,78.17 42,77.93 arc(42.03,77.85) 42.11,77.82 42.22,77.82 arc(42.26,77.84) 42.28,77.89 arc(42.36,78.09) 42.57,78.18 42.77,78.18 arc(42.97,78.09) 43.06,77.89 arc(43.07,77.84) 43.12,77.82 45.82,77.82 46.52,77.12 47.32,77.12 47.86,77.66 47.86,78.06 48.42,78.62 49.42,78.62 50.22,77.82 arc(50.26,77.84) 50.28,77.89 arc(50.37,78.1) 50.58,78.19 50.79,78.19 arc(51,78.1) 51.08,77.89 51.08,77 arc(51.12,76.93) 51.19,76.89 51.3,76.89 arc(51.38,76.93) 51.41,77 51.41,77.49 arc(51.51,77.73) 51.74,77.82 51.85,77.82 arc(51.93,77.85) 51.96,77.93 51.96,78.32 arc(52.06,78.55) 52.29,78.65 52.4,78.65 arc(52.64,78.55) 52.73,78.32 52.73,77.54 arc(52.75,77.49) 52.8,77.47 53,77.47 arc(53.04,77.49) 53.06,77.54 53.06,78.52 arc(53.16,78.75) 53.39,78.85 53.5,78.85 arc(53.74,78.75) 53.83,78.52 53.83,77.93 arc(53.87,77.85) 53.94,77.82 54.05,77.82 arc(54.29,77.73) 54.38,77.49 54.38,76.95 arc(54.42,76.88) 54.49,76.85 54.6,76.85 arc(54.68,76.88) 54.71,76.95 54.71,77.92 arc(54.8,78.15) 55.03,78.24 55.16,78.24 arc(55.39,78.15) 55.48,77.92 55.48,77.5 arc(55.51,77.43) 55.58,77.4 55.71,77.4 arc(55.78,77.43) 55.81,77.5 55.81,78.02 arc(55.91,78.25) 56.14,78.35 56.25,78.35 arc(56.49,78.25) 56.58,78.02 56.58,77.93 arc(56.62,77.85) 56.69,77.82 56.8,77.82 arc(56.88,77.85) 56.91,77.93 56.91,78.32 arc(57.01,78.55) 57.24,78.65 57.35,78.65 arc(57.59,78.55) 57.68,78.32 57.68,77.93 arc(57.72,77.85) 57.79,77.82 57.9,77.82 arc(58.14,77.73) 58.23,77.49 58.23,76.95 arc(58.27,76.88) 58.34,76.85 58.45,76.85 arc(58.53,76.88) 58.56,76.95 58.56,77.49 arc(58.66,77.73) 58.89,77.82 62.42,77.82 65.12,75.12 66.02,75.12 66.64,75.74 66.64,75.92 v1(66.45,76.11)